# Altium PCB ESP32_led.PcbDoc
Units mil, origin at the board's own origin, x right, y up, seen from the top; angles counter-clockwise.
Board outline 4081.38 x 2419.64 mil, 2 copper layers (Top Layer, Bottom Layer); 62 components, 67 nets, 294 pads, 48 vias.
Unrouted connection lines stored in the file: 59.
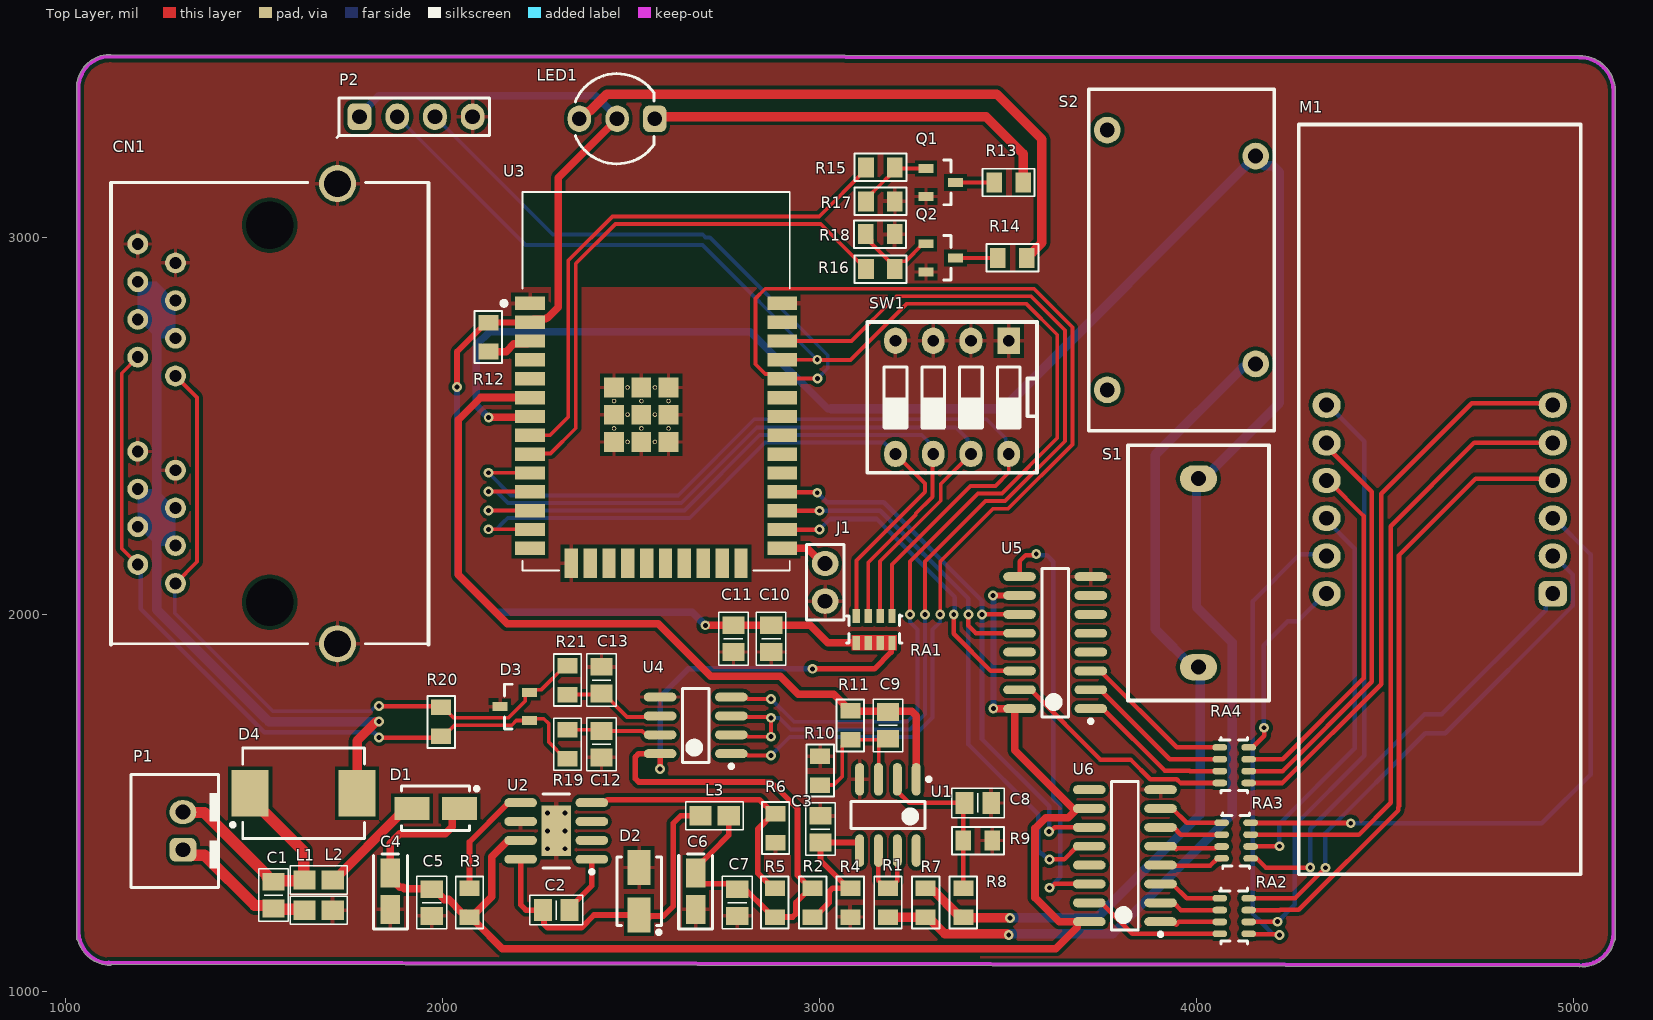
[diagram p0: Top Layer view]
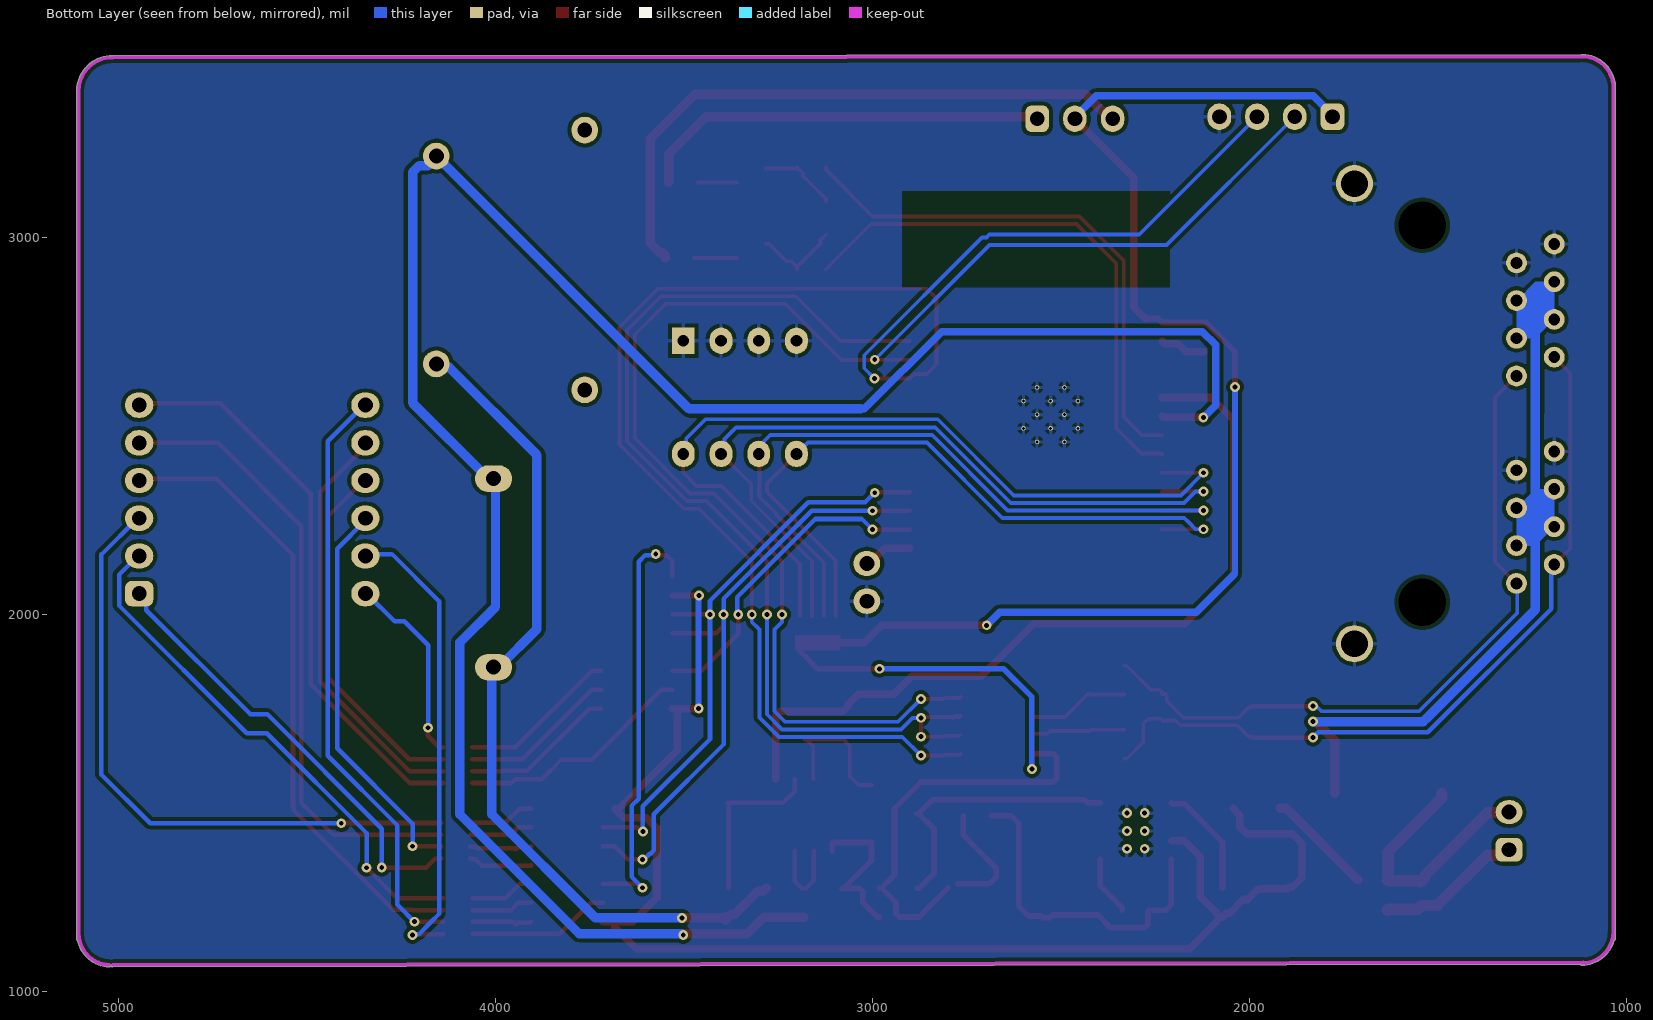
[diagram p1: Bottom Layer view, seen from below]

## Layer stack, top to bottom
Top Solder: solder mask 0.4, Solder Resist, Dk 3.5
Top Layer: signal copper 1.4
Dielectric 1: dielectric 12.6, FR-4, Dk 4.8
Bottom Layer: signal copper 1.4
Bottom Solder: solder mask 0.4, Solder Resist, Dk 3.5

## Board outline
1033.25,1135.16 cw(c1034.57,1140) 1029.56,1140 1029.56,3408.4 cw(c1034.57,3408.4) 1030.98,3411.9 cw(c1117.93,3396.42) 1115.59,3484.71 cw(c1115.72,3479.69) 1117.86,3484.23 cw(c1120,3479.7) 1120,3484.71 5015.89,3482.22 cw(c5015.89,3387.3) 5110.77,3389.82 cw(c5106.12,3389.69) 5110.77,3389.68 5110.94,1140.78 cw(c5105.93,1140.78) 5108.74,1136.63 cw(c5022.07,1153.58) 5024.41,1065.29 cw(c5024.28,1070.31) 5019.69,1068.29 cw(c5015.01,1070.09) 5015,1065.08 1122.6,1071.64 cw(c1118.58,1074.63) 1118.58,1069.61 cw(c1118.58,1157.93)

## Design rules (kind name [scope] priority, off if disabled: settings)
Clearance [All] p1: gap=10 ignorepadtopadclearanceinfootprint=FALSE except(0: Arc-Hole Track-Hole SMDPad-Hole THPad-Hole Via-Hole Fill-Hole Poly-Hole Region-Hole Text-Hole)
ComponentClearance [InComponent('H*') OR InComponent('S1')] p1: gap=0 collisioncheckmode=3 verticalgap=0 showdistances=FALSE
Height [All] p1: minheight=0 maxheight=1181.1 prefheight=500
PolygonConnect [All] p1: connectstyle=Relief reliefconductorwidth=10 reliefentries=4 polygonreliefangle="90 Angle" airgapwidth=10
RoutingVias [All] p1: holewidth=28 width=50 viastyle="Through Hole" minholewidth=28 minwidth=50 maxholewidth=28 maxwidth=50
SolderMaskExpansion [All] p1: expansion=4 istentingtop=FALSE
Width [All] p1: maxlimit=78.74 minlimit=7.87 preferedwidth=15.75 minimp=50.000000 maximp=50.000000 favimp=50.000000
28 further rules are at their usual default settings.

## Classes and differential pairs
component class 4_digit_7_seg: M1 RA2 RA3 RA4 U5 U6
component class ESP32: 33 C1 C2 C3 C4 C5 C6 C7 C8 C9 C10 C11 C12 C13 CN1 D1 D2 D3 D4 J1 L1 L2 L3 LED1 P1 P2 Q1 Q2 R1 R2 R3 R4 R5 R6 R7 R8 R9 R10 R11 R12 R13 R14 R15 R16 R17 R18 R19 R20 R21 RA1 S1 S2 SW1 U1 U2 U3 U4

## Components (designator, comment, footprint, x,y, rotation, side; value= is the part's Value field where it differs from the comment)
C1 "1uF" "C 0805" 1551.65,1255.61 r270 top
C2 "10nF" "C 0805" 2301.65,1215.61 r180 top
C3 "1uF" "C 0805" 3002.41,1430.55 r270 top
C4 "100uF/35V" "C SMD TAN 1206 (A)" 1861.65,1265.61 r270 top
C5 "0.1uF" "C 0805" 1971.65,1235.61 r270 top
C6 "220uF/16V" "C SMD TAN 1206 (A)" 2671.65,1265.61 r270 top
C7 "0.1uF" "C 0805" 2781.65,1235.61 r270 top
C8 "100pF" "C 0805" 3420,1500 r0 top
C9 "100pF" "C 0805" 3181.65,1705.61 r90 top
C10 "C" "C 0805" 2871.65,1935.61 r90 top
C11 "C" "C 0805" 2771.65,1935.61 r90 top
C12 "N/A" "C 0805" 2421.65,1655.61 r90 top
C13 "N/A" "C 0805" 2421.65,1825.61 r90 top
CN1 "RJ45 x2" CONN/RJ45/x2 1541.81,2532.33 r90 top
D1 "SS34" "DO-214AC (SMA)" 1981.65,1485.61 r0 top
D2 "SS34" "DO-214AC (SMA)" 2521.65,1265.61 r270 top
D3 "CDSOT23-SM712" SOT-23#1 2191.65,1755.61 r180 top
D4 "SS34" "DO-214AB (SMC)" 1631.65,1525.61 r180 top
J1 "JUMP 2" JUMP/2/Close 3015,2135 r270 top
L1 "FB" "Inductor SMD 0805 (2012)" 1671.65,1295.61 r0 top
L2 "FB" "Inductor SMD 0805 (2012)" 1671.65,1215.61 r0 top
L3 "15uH" "Inductor SMD 0805 (2012)" 2721.65,1465.61 r0 top
LED1 "Led 3pin 2color" "LED 3PIN 2COLOR 5MM" 2563.07,3314.6 r0 top
M1 "LED 7-SEG QUAD" LED/7SEG/0.56/QUAD 4645,2305 r90 top
P1 "Header 2" HDR/Header/2/BOX 1311.65,1425.61 r180 top
P2 "Header 4" HDR/Header/4 1930,3320 r0 top
Q1 "MMBT3904LT1G" SOT-23#2 3321.65,3145.61 r0 top
Q2 "MMBT3904LT1G" SOT-23#2 3321.65,2945.61 r0 top
R1 "0" "R 0805" 3181.65,1235.61 r90 top
R2 "1k" "R 0805" 2981.65,1235.61 r90 top
R3 "N/A" "R 0805" 2071.65,1235.61 r90 top
R4 "1k" "R 0805" 3081.65,1235.61 r90 top
R5 "10k" "R 0805" 2881.65,1235.61 r270 top
R6 "5.9k" "R 0805" 2883.39,1433.09 r90 top
R7 "100" "R 0805" 3281.65,1235.61 r270 top
R8 "1k" "R 0805" 3381.65,1235.61 r90 top
R9 "1k" "R 0805" 3420,1400 r0 top
R10 "1k" "R 0805" 3001.65,1585.61 r90 top
R11 "1k" "R 0805" 3081.65,1705.61 r270 top
R12 "R" "R 0805" 2121.65,2735.61 r270 top
R13 "20R" "R 0805" 3501.65,3145.61 r0 top
R14 "24R" "R 0805" 3511.65,2945.61 r0 top
R15 "4.7k" "R 0805" 3161.65,3185.61 r180 top
R16 "4.7k" "R 0805" 3161.65,2915.61 r0 top
R17 "47k" "R 0805" 3161.65,3095.61 r0 top
R18 "47k" "R 0805" 3160.88,3008.35 r0 top
R19 "10" "R 0805" 2331.65,1655.61 r90 top
R20 "120" "R 0805" 1996.35,1714.82 r270 top
R21 "10" "R 0805" 2331.65,1825.61 r270 top
RA1 "10k" "RAx4 1206 (3216)" 3145,1960 r270 top
RA2 "480R" "RA4 1206 (3216)" 4100,1200 r0 top
RA3 "480R" "RA4 1206 (3216)" 4105,1400 r0 top
RA4 "480R" "RA4 1206 (3216)" 4100,1600 r0 top
S1 "TA12" TA12 4005,2110 r90 top
S2 "TA17" TA17 3960,2940 r90 top
SW1 "SW DIP-4" SW/DIP4 3501.65,2725.61 r180 top
U1 "LM358" SOIC-8 3181.37,1468.07 r270 top
U2 "TPS54xx" "SOIC-8 EP" 2301.65,1425.61 r180 top
U3 "ESP32-WROOM-32" MODULE_ESP32-WROOM-32 2566.65,2617.89 r0 top
U4 "MAX485" SOIC-8 2671.65,1705.61 r180 top
U5 "74HC595" SOIC-16 3625,1925 r180 top
U6 "74HC595" SOIC-16 3810,1360 r180 top

## Footprints (in the part's own frame and the unit in brackets; to place one, negate y for a bottom-side part, rotate by r counter-clockwise, add the part's x,y. Pads: shape width x height; smd on the part's side, far side on the other; paste and mask are expansions set on the pad)
"C 0805" [mm] "Chip Capacitor, 2-Leads, Body 2.0x1.3mm, IPC Medium Density"
  rect 1.2x1.5 smd: 1(-0.9,0) 2(0.9,0)
  silkscreen extent -1.78,-1 1.78,1, body extent -1,-0.64 1,0.61, height 0.6
"C SMD TAN 1206 (A)" [mm] "Molded Capacitor, 2-Leads, Body 3.2x1.6mm, IPC Medium Density"
  rect 1.95x1.3 smd: 1(-1.225,0) 2(1.225,0)
  silkscreen extent -2.5,-1.14 2.54,1.14, body extent -2.4,-0.9 2.4,0.9, height 1.8
CONN/RJ45/x2 [mm]
  round 1.4 hole 0.8: 1(-11.43,6.35) 2(-10.16,8.89) 3(-8.89,6.35) 4(-7.62,8.89) 5(-6.35,6.35) 6(-5.08,8.89) 7(-3.81,6.35) 8(-2.54,8.89) 11(2.54,6.35) 12(3.81,8.89) 13(5.08,6.35) 14(6.35,8.89) 15(7.62,6.35) 16(8.89,8.89) 17(10.16,6.35) 18(11.43,8.89)
  round 2.5 hole 1.8: 9(-15.5,-4.57) 10(15.5,-4.57)
  round 0 hole 3.2 unplated: HOLE(-12.7,0) HOLE(12.7,0)
  silkscreen extent -15.56,-10.7 15.56,10.7, body extent -15.5,-10.7 15.56,10.7, height 13.46
"DO-214AB (SMC)" [mm] "Molded Diode, 2-Leads, Body 7.9x5.8mm, IPC Low Density"
  rect 2.5x3.15 smd: 1(-3.6,0) 2(3.6,0)
  silkscreen extent -4.1,-3.05 4.9,3.05, body extent -3.98,-2.98 3.98,2.92, height 2.27
"DO-214AC (SMA)" [mm] "Molded Diode, 2-Leads, Body 4.3x2.7mm, IPC Medium Density"
  rect 2.35x1.55 smd: 1(-1.6,0) 2(1.6,0)
  silkscreen extent -2.3,-1.5 2.89,1.5, body extent -2.6,-1.3 2.6,1.3, height 2.4
HDR/Header/2/BOX [mm]
  rrect50% 1.8x1.6 hole 1: 1(0,1.27)
  oval 1.8x1.6 hole 1: 2(0,-1.27)
  silkscreen extent -2.41,-3.81 3.5,3.81, body extent -2.3,-3.79 3.4,3.71, height 7
HDR/Header/4 [mm]
  rrect50% 1.6x1.8 hole 1: 1(-3.81,0)
  oval 1.6x1.8 hole 1: 2(-1.27,0) 3(1.27,0) 4(3.81,0)
  silkscreen extent -5.33,-1.4 4.95,1.27, body extent -5.08,-1.27 5.08,1.27, height 8.89
"Inductor SMD 0805 (2012)" [mm] "Precision Wire Wound Inductor, 2-Leads, Body 2.0x1.2mm, IPC Medium Density"
  rect 1.5x1.3 smd: 1(-0.95,0) 2(0.95,0)
  silkscreen extent -1.92,-0.95 1.92,0.95, body extent -1,-0.6 1,0.6, height 0.95
JUMP/2/Close [mm]
  oval 1.7x1.8 hole 1: 1(0,0) 2(2.54,0)
  silkscreen extent -1.27,-1.27 3.81,1.27, body extent -1.27,-1.27 3.81,1.27, height 8.89
"LED 3PIN 2COLOR 5MM" [mil]
  rrect50% 62x70 hole 39: 1(0,0)
  oval 62x70 hole 39: 2(-100,0) 3(-200,0)
  silkscreen extent -211,-120 -2,120, body extent -218,-118 -2,118, height 335
LED/7SEG/0.56/QUAD [mm]
  rrect50% 1.7x1.9 hole 1: 1(-6.35,-7.62)
  oval 1.7x1.9 hole 1: 2(-3.81,-7.62) 3(-1.27,-7.62) 4(1.27,-7.62) 5(3.81,-7.62) 6(6.35,-7.62) 7(6.35,7.62) 8(3.81,7.62) 9(1.27,7.62) 10(-1.27,7.62) 11(-3.81,7.62) 12(-6.35,7.62)
  silkscreen extent -25.25,-9.5 25.25,9.5, body extent -25.2,-9.5 25.2,9.5, height 8
MODULE_ESP32-WROOM-32 [mm]
  rect 2x0.9 smd: 1(-8.5,5.26) 2(-8.5,3.99) 3(-8.5,2.72) 4(-8.5,1.45) 5(-8.5,0.18) 6(-8.5,-1.09) 7(-8.5,-2.36) 8(-8.5,-3.63) 9(-8.5,-4.9) 10(-8.5,-6.17) 11(-8.5,-7.44) 12(-8.5,-8.71) 13(-8.5,-9.98) 14(-8.5,-11.25) 25(8.5,-11.25) 26(8.5,-9.98) 27(8.5,-8.71) 28(8.5,-7.44) 29(8.5,-6.17) 30(8.5,-4.9) 31(8.5,-3.63) 32(8.5,-2.36) 33(8.5,-1.09) 34(8.5,0.18) 35(8.5,1.45) 36(8.5,2.72) 37(8.5,3.99) 38(8.5,5.26)
  rect 0.9x2 smd: 15(-5.715,-12.25) 16(-4.445,-12.25) 17(-3.175,-12.25) 18(-1.905,-12.25) 19(-0.635,-12.25) 20(0.635,-12.25) 21(1.905,-12.25) 22(3.175,-12.25) 23(4.445,-12.25) 24(5.715,-12.25)
  rect 1.33x1.33 smd: 39(-2.835,-4.075) 39(-2.835,-2.24) 39(-2.835,-0.405) 39(-1,-4.075) 39(-1,-2.24) 39(-1,-0.405) 39(0.835,-4.075) 39(0.835,-2.24) 39(0.835,-0.405)
  round 0.3 hole 0.2: 39(-2.835,-3.157) 39(-2.835,-1.322) 39(-1.917,-4.075) 39(-1.917,-2.24) 39(-1.917,-0.405) 39(-1,-3.157) 39(-1,-1.322) 39(-0.082,-4.075) 39(-0.082,-2.24) 39(-0.082,-0.405) 39(0.835,-3.157) 39(0.835,-1.322)
  Top Layer pour cut-out: -9.017,12.827 -9.017,6.35 9.017,6.35 9.017,12.827
  Bottom Layer pour cut-out: -9.017,12.827 -9.017,6.35 9.017,6.35 9.017,12.827
  silkscreen extent -10.4,-12.75 9,12.75, body extent -9,-12.75 9,12.75, height 2.91
"R 0805" [mm] "Chip Resistor, 2-Leads, Body 2.0x1.3mm, IPC Medium Density"
  rect 1.05x1.35 smd: 1(-0.975,0) 2(0.975,0)
  silkscreen extent -1.75,-0.92 1.75,0.92, body extent -1,-0.61 1,0.59, height 0.5
"RA4 1206 (3216)" [mm] "Resistor Array x4 1206 (4D03)"
  oval 1x0.45 smd: 1(-0.975,1.2) 2(-0.975,0.4) 3(-0.975,-0.4) 4(-0.975,-1.2) 5(0.975,-1.2) 6(0.975,-0.4) 7(0.975,0.4) 8(0.975,1.2)
  silkscreen extent -0.99,-1.88 0.9,1.88, body extent -0.8,-1.6 0.8,1.6, height 0.5
"RAx4 1206 (3216)" [mm] "Resistor Array x4 1206 (4D03)"
  rrect10% 0.95x0.5 smd: 1(-0.9,1.2) 2(-0.9,0.4) 3(-0.9,-0.4) 4(-0.9,-1.2) 5(0.9,-1.2) 6(0.9,-0.4) 7(0.9,0.4) 8(0.9,1.2)
  silkscreen extent -0.99,-1.88 0.9,1.88, body extent -0.8,-1.6 0.8,1.6, height 0.5
SOIC-8 [mm] "SOIC, 8-Leads, Body 5.0x4.0mm (max), Pitch 1.27mm, IPC Medium Density"
  oval 2.2x0.6 smd: 1(-2.4,1.905) 2(-2.4,0.635) 3(-2.4,-0.635) 4(-2.4,-1.905) 5(2.4,-1.905) 6(2.4,-0.635) 7(2.4,0.635) 8(2.4,1.905)
  silkscreen extent -2.52,-2.5 0.9,2.88, body extent -3,-2.49 3,2.41, height 1.75
"SOIC-8 EP" [mm] "SOIC, 8-Leads, Body 5.0x4.0mm (max), Pitch 1.27mm, IPC Medium Density"
  oval 2.2x0.6 smd: 1(-2.4,1.905) 2(-2.4,0.635) 3(-2.4,-0.635) 4(-2.4,-1.905) 5(2.4,-1.905) 6(2.4,-0.635) 7(2.4,0.635) 8(2.4,1.905)
  rect 2x3.4 smd: 9(0,0)
  silkscreen extent -2.53,-2.5 0.9,2.88, body extent -3,-2.49 3,2.41, height 1.75
SOIC-16 [mm] "SOIC, 16-Leads, Body 10.0x4.0mm (max), Pitch 1.27mm, IPC Medium Density"
  oval 2.2x0.6 smd: 1(-2.4,4.445) 2(-2.4,3.175) 3(-2.4,1.905) 4(-2.4,0.635) 5(-2.4,-0.635) 6(-2.4,-1.905) 7(-2.4,-3.175) 8(-2.4,-4.445) 9(2.4,-4.445) 10(2.4,-3.175) 11(2.4,-1.905) 12(2.4,-0.635) 13(2.4,0.635) 14(2.4,1.905) 15(2.4,3.175) 16(2.4,4.445)
  silkscreen extent -2.53,-5 0.9,5.42, body extent -3,-4.95 3,4.95, height 1.4
SOT-23#1 [mm] "SOT23, 3-Leads, Body 3.0x2.5mm (max), Pitch 0.95mm, IPC Medium Density"
  rect 1x0.6 smd: 1(-1,-0.95) 2(-1,0.95) 3(1,0)
  silkscreen extent 0.2,-1.5 0.7,1.5, body extent -1.28,-1.46 1.27,1.46, height 0.95
SOT-23#2 [mm] "SOT23, 3-Leads, Body 3.0x2.5mm (max), Pitch 0.95mm, IPC Medium Density"
  rect 1x0.6 smd: 1(-1,0.95) 2(-1,-0.95) 3(1,0)
  silkscreen extent 0.2,-1.5 0.7,1.5, body extent -1.28,-1.46 1.27,1.46, height 0.95
SW/DIP4 [mil]
  rect 60x70 hole 31: 1(0,0)
  oval 60x70 hole 31: 2(100,0) 3(200,0) 4(300,0) 5(300,300) 6(200,300) 7(100,300) 8(0,300)
  silkscreen extent -75,-50 375,350, body extent -50,0 350,300, height 165
TA12 [mm]
  oval 1.8x2.5 hole 1: 1(-6.35,0) 2(6.35,0)
  silkscreen extent -8.6,-4.75 8.6,4.75, body extent -8.6,-4.75 8.6,4.75, height 20.4
TA17 [mm]
  round 1.8 hole 1: 1(-7,-5) 2(7,-5) 3(8.75,5) 4(-8.75,5)
  silkscreen extent -11.5,-6.25 11.5,6.25, body extent -11.5,-6.25 11.5,6.25, height 26

## Part data
C1 C2 C3 C5 C7 C8 C9 C10 C11 C12 C13: library part "Capacitor NP", "Capacitor non-pol"
C4 C6: library part Capacitor, "Capacitor pol"
CN1: library part "CON RJ45 x2", "Connector RJ45 X2"
D1 D2 D4: library part "Diode Schottky", "Schottky Diode"
D3: "TVS DIODE 7V/12V 14V/26V SOT23-3"
L1 L2 L3: library part Inductor, "Inductor"
LED1: "Typical LED 3-pin 2-color"
M1: "LED 7-SEG 0.56 QUAD RED"
P1: "Header, 2-Pin"
P2: "Header, 4-Pin"
Q1 Q2: library part "Transistor NPN", "NPN Bipolar Transistor"
R1 R2 R3 R4 R5 R6 R7 R8 R9 R10 R11 R12 R13 R14 R15 R16 R17 R18 R19 R20 R21: library part Resistor, "Resistor"
RA1: library part "Resistor Array x4"
RA2 RA3 RA4: library part "Resistor Array 4", "Resistor Array 4"
U1: "Low Power Dual Operational Amplifiers"
U2: "3/5A, Wide input range, Step-down SWIFT DC-DC Converter"
U3: "Bluetooth, WiFi 802.11b/g/n, Bluetooth v4.2 + EDR, Class 1, 2 and 3 Transceiver Module 2.4GHz ~ 2.5GHz Integrated, Trace Surface Mount", PACKAGE="Module Espressif Systems", Availability=Unavailable, MF="Espressif Systems", MP=ESP32-WROOM-32D, Price=None, SnapEDA_Link=https://www.snapeda.com/parts/ESP32-WROOM-32D/Espressif%20Systems/view-part/2768115/?ref=snap
U4: "Low-Power, Slew-Rate-Limited  RS-485/RS-422 Transceivers"
U5 U6: "8-bit serial-in, serial or parallel-out  shift register with output latches;  3-state"

## Via types
v1: diameter 25.98, hole 12.99, Top Layer to Bottom Layer, tented top, 44 vias
v2: diameter 25.98/25.98 (per signal layer), hole 12.99, Top Layer to Bottom Layer, tented top, 4 vias

## Nets (pads, with @x,y where several pads share a name; then routed paths per layer and width w, separated by ;. In a path a pad name is that pad's centre, name@x,y a point inside that pad or via, vN(x,y) a via of type N, cw(c..) or ccw(c..) an arc to the next point about the centre after c; other vN are vias at no path point)
3V3: C6.1 C7.1 C10.2 C11.2 L3.2 LED1.2 P2.1 R2.2 R5.2 R12.1 RA1.5 RA1.6 RA1.7 RA1.8 U3.2 U4.8 | length 5639.4
  Top Layer w15: v1(2577.16,1590.1) U4.8 2520.43,1630.61 2511.65,1621.82 2511.65,1564.4 2520.43,1555.61 2871.25,1555.61 2941.65,1485.22 2941.65,1308.09 R2.2@2975.74,1274 ; L3.2 2759.05,1414.03 2714.39,1369.38 2671.65,1326.63 C6.1 2671.65,1303.7 2689.74,1285.61 C7.1@2772.98,1285.61 ; C7.1@2800.11,1274.07 2862.57,1211.61 2862.57,1210.39 2875.74,1197.22 R5.2 2928.78,1197.22 2937.57,1206.01 2937.57,1235.83 R2.2@2975.74,1274 ; R2.2 R2.2@2975.74,1274 ; v1(2981.65,1855.61) 3145.61,1855.61 3190,1900 3190,1922.32 RA1.8
  Top Layer w15.75: v2(2038.62,2603.13) 2038.62,2696.87 2115.74,2773.99 R12.1 2122.14,2774.49 2231.51,2774.49 U3.2 2241.84,2784.82 2274.21,2784.82
  Top Layer w20: 2274.21,2784.82 2276.65,2787.26 2279.65,2787.26 2307.13,2814.74 2307.13,3158.66 LED1.2 ; v1(2697.08,1971.04) C11.2 2975.46,1971.04 3021.93,1924.57 RA1.5
  Bottom Layer w15: v1(2577.16,1590.1) 2577.16,1781.12 2651.65,1855.61 v1(2981.65,1855.61)
  Bottom Layer w15.75: v2(2038.62,2603.13) 2038.62,2108.64 2041.65,2105.61
  Bottom Layer w20: P2.1 1780,3323.94 1831.5,3375.43 2406.23,3375.43 LED1.2@2461.65,3320.02 ; 2041.65,2105.61 2141.65,2005.61 2662.51,2005.61 v1(2697.08,1971.04)
"ADC1 _CH6": C9.2 R11.1 U1.1 U3.6 | length 2166.9
  Top Layer w20: U3.6 2231.69,2575.29 2101.33,2575.29 2041.65,2515.61 2041.65,2105.61 2171.65,1975.61 2571.65,1975.61 2711.65,1835.61 2896.29,1835.61 2943.77,1788.13 3037.52,1788.13 3065.07,1760.57 3065.07,1754.66 3075.74,1743.99 R11.1 3083.12,1742.52 3181.65,1742.52 3244.66,1742.52 3256.37,1730.8 U1.1
"ADC1 _CH7": R1.1 R7.2 S1.2 S2.2 U3.7 | length 5749.8
  Top Layer w20: v2(2122.53,2521.97) 2123.67,2523.11 2230.14,2523.11 U3.7
  Top Layer w25: R1.1 R7.2 3287.55,1197.22 3331.93,1152.84 3498.38,1152.84 3501.73,1149.5 v2(3501.99,1149.5)
  Bottom Layer w20: v2(2122.53,2521.97) 2090,2554.5 2090,2715 2125,2750 2816.54,2750 3021.41,2545.13 3031.54,2545.13
  Bottom Layer w25: 3031.54,2545.13 3486.39,2545.13 S2.2 4156.85,3213 4179.52,3190.34 4202.11,3190.34 4219.78,3172.66 4219.78,2561 4018.78,2360 S1.2 4000,2355 4000,2020 4094.64,1925.36 4094.64,1469.64 3777.84,1152.84 3505.6,1152.84 3502.45,1149.69 v2@3502.18,1149.69
ADC_IN: R7.1 R8.1 S1.1 S2.1 | length 2267.9
  Top Layer w25: R7.1 3289.82,1265.83 3304.17,1265.83 3364.61,1205.39 3373.48,1205.39 R8.1@3389.82,1189.05 ; R8.1 3384.42,1200 3389.23,1195.19 3504.81,1195.19 v2(3505,1195)
  Bottom Layer w25: v2(3505,1195) 3735,1195 4010,1470 4010,1855 S1.1 S1.1@3994.04,1849.04 ; S1.1@3991.22,1860 3890,1961.22 3890,2422.56 4123.07,2655.63 4148.07,2655.63 S2.1
DIO: U3.26 U5.14 | length 869.4
  Top Layer w12: U3.26 v1(3000,2225) ; v1(3355.98,2000) 3355.98,1948.22 3454.2,1850 U5.14
  Bottom Layer w12: v1(3000,2225) 3028,2253 3151.96,2253 3359.17,2045.79 3359.17,2014.17 3358.66,2013.66 3358.66,2002.68 v1(3355.98,2000)
GND: C3.1 C4.2 C5.2 C6.2 C7.2 C8.2 C10.1 C11.1 C12.1 C13.2 CN1.7 CN1.8 CN1.9 CN1.10 CN1.17 CN1.18 D2.1 D3.3 J1.2 L2.2 P2.4 Q1.2 Q2.2 R4.1 R6.1 R9.2 R10.2 R17.2 R18.2 SW1.1 SW1.2 SW1.3 SW1.4 U1.4 U2.6 U2.9 U3.1 U3.15 U3.38 U3.39 U4.5 U5.8 U6.8
  other v1: 2278.02,1378.37 2325.27,1378.37 2278.02,1425.61 2325.27,1425.61 2278.02,1472.85 2325.27,1472.85
LED0: R15.2 U3.8 | length 1432.1
  Top Layer w10: U3.8 2284.98,2474.98 2333.39,2523.39 2333.39,2923.39 2333.67,2923.67 2333.67,2938.6 2450.69,3055.61 2999.17,3055.61 3123.26,3179.7 R15.2
LED1: R16.1 U3.9 | length 1449.7
  Top Layer w10: U3.9 2233.75,2426.73 2286.73,2426.73 2353.67,2493.67 2353.67,2930.31 2458.97,3035.61 3003.26,3035.61 R16.1
NetC2_1: C2.1 U2.1 | length 159.5
  Top Layer w15: C2.1 2337.08,1221.51 2396.13,1280.57 U2.1
NetC2_2: C2.2 D2.2 L3.1 U2.8 | length 901
  Top Layer w15: U2.8 2207.16,1230.1 2221.65,1215.61 C2.2 2269.12,1212.7 2269.12,1178.13 2278.67,1168.58 2367.95,1168.58 2401.99,1202.62 D2.2 2528.65,1195.61 2548.65,1195.61 2552.88,1199.83 2585.87,1199.83 2611.65,1225.61 2611.65,1445.61 2631.65,1465.61 L3.1
NetC3_2: C3.2 R2.1 R4.2 U1.5 | length 431.7
  Top Layer w15: R2.1 2987.55,1197.22 3025.72,1235.39 3025.72,1265.21 3034.51,1274 R4.2 3075.74,1274 3062.57,1287.16 3002.41,1347.32 C3.2 3105.52,1395.12 3106.37,1394.26 U1.5
NetC8_1: C8.1 R8.2 R9.1 U1.2 | length 443.9
  Top Layer w12: U1.2 3206.37,1531.06 3237.43,1500 C8.1 ; R8.2 R9.1 C8.1@3381.65,1495.37
NetC9_1: C9.1 R10.1 R11.2 U1.3 | length 430.7
  Top Layer w10: R10.1 3037.36,1547.22 3060.07,1569.93 3060.07,1651.55 3075.74,1667.22 C9.1@3178.69,1667.22 ; U1.3 3157.12,1563.3 C9.1@3157.12,1651.55 ; C9.1@3157.12,1651.55 C9.1@3159.5,1651.55 ; C9.1@3157.12,1651.55 C9.1@3159.5,1651.55 ; C9.1@3157.12,1651.55 3175.74,1670.18 C9.1 3178.12,1670.18 C9.1@3159.5,1651.55
NetC12_2: C12.2 R19.2 U4.7 | length 249.8
  Top Layer w10: R19.2 C12.2@2421.65,1694 ; C12.2 2528.96,1691.04 2536.78,1683.22 2574.55,1683.22 U4.7
NetC13_1: C13.1 R21.2 U4.6 | length 271.6
  Top Layer w10: R21.2 C13.1@2421.65,1787.22 ; C13.1@2422.14,1789.68 2428.04,1789.68 2489.72,1728 2574.55,1728 U4.6
NetD1_1: D1.1 L1.2 | length 284.4
  Top Layer w25: L1.2@1712.98,1295.61 1884.89,1467.52 1884.89,1467.6 1902.91,1485.61 D1.1
NetJ1_1: J1.1 U3.25 | length 130.3
  Top Layer w20: U3.25 2967.35,2174.98 3007.33,2135 J1.1
NetLED1_1: LED1.1 R13.2 | length 1097
  Top Layer w25: LED1.1@2561.65,3315.55 2566.1,3320 3441.59,3320 3540.03,3221.56 R13.2
NetLED1_3: LED1.3 R14.2 | length 1642.6
  Top Layer w25: LED1.3@2361.65,3307.16 2390.74,3336.25 2392.29,3336.25 2436.04,3380 3470,3380 3590,3260 3590,3028.63 ; R14.2 3550.03,2951.51 3558.2,2959.68 3564.11,2959.68 3589.99,2985.57 3589.99,3028.62
NetM1_1: M1.1 RA3.5 | length 1187.6
  Top Layer w12: RA3.5 4144.48,1351.66 4160.37,1351.66 4183.53,1328.5 v1(4301.5,1328.5)
  Bottom Layer w12: v1(4301.5,1328.5) 4301.5,1431.5 4604.8,1734.8 4649.8,1734.8 4926.24,2011.24 4926.24,2036.24 M1.1
NetM1_2: M1.2 RA2.8 | length 1391.5
  Top Layer w12: RA2.8 4261.24,1247.24 v1(4342,1328)
  Bottom Layer w12: v1(4342,1328) 4342,1420.11 4606.89,1685 4660,1685 4998.4,2023.4 4998.4,2105.54 4948.94,2155 M1.2
NetM1_3: M1.3 RA3.8 | length 1679.2
  Top Layer w12: RA3.8 4143.98,1446.65 4408.35,1446.65 v1(4408.94,1446.06)
  Bottom Layer w12: v1(4408.94,1446.06) 4916.06,1446.06 5045,1575 5045,2158.94 4948.94,2255 M1.3
NetM1_4: M1.4 RA2.7 | length 1678.1
  Top Layer w12: RA2.7 4220.75,1215.75 4221.51,1216.51 4271.51,1216.51 4535,1480 4535,1488.89 4537,1490.89 4537,2157 4740,2360 4940,2360 M1.4
NetM1_5: M1.5 RA3.7 | length 1662
  Top Layer w12: RA3.7 4430.75,1415.75 4515,1500 4515,2233.89 4736.11,2455 M1.5
NetM1_6: M1.6 RA4.5 | length 1521.7
  Top Layer w12: RA4.5 4227.76,1552.76 4490,1815 4490,2320 4730,2560 4940,2560 M1.6
NetM1_7: M1.7 RA2.6 | length 1585.9
  Top Layer w12: RA2.6 4138.76,1184.63 4214.63,1184.63 v1(4215,1185)
  Bottom Layer w12: v1(4215,1185) 4260,1230 4260,1440 4445,1625 4445,2458.94 4348.94,2555 M1.7
NetM1_8: M1.8 RA4.6 | length 1108.3
  Top Layer w12: RA4.6 4228.14,1584.25 4465,1821.11 4465,2325 4345,2445 M1.8
NetM1_9: M1.9 RA4.7 | length 961.1
  Top Layer w12: RA4.7 4228.52,1615.75 4443,1830.23 4443,2260.94 4348.94,2355 M1.9
NetM1_10: M1.10 RA3.6 | length 1060.8
  Top Layer w12: RA3.6 4143.76,1384.63 4219.63,1384.63 v1(4220,1385)
  Bottom Layer w12: v1(4220,1385) 4220,1445 4420,1645 4420,2173.94 4345,2248.94 M1.10
NetM1_11: M1.11 RA2.5 | length 1255.7
  Top Layer w12: RA2.5 4139.48,1151.66 4217.8,1151.66 v1(4220.09,1149.38)
  Bottom Layer w12: v1(4220.09,1149.38) 4217.41,1152.05 4202.95,1152.05 4171.74,1183.26 4149.59,1205.41 4149.59,2035 4274.6,2160 4340,2160 M1.11
NetM1_12: M1.12 RA4.8 | length 518.4
  Top Layer w12: RA4.8 4149.21,1647.24 4180,1678.03 4180,1698.03 v1(4178.59,1699.45)
  Bottom Layer w12: v1(4178.59,1699.45) 4178.59,1918.59 4241.54,1981.54 4267.6,1981.54 4341.06,2055 M1.12
NetQ1_1: Q1.1 R15.1 R17.1 | length 205.6
  Top Layer w10: R17.1 3123.26,3101.51 3167.74,3145.99 3177.72,3155.98 3178.5,3155.98 3184.36,3161.83 3184.36,3169.94 R15.1 3202.63,3183.01 Q1.1
NetQ1_3: Q1.3 R13.1 | length 102.2
  Top Layer w10: Q1.3 R13.1
NetQ2_1: Q2.1 R16.2 R18.1 | length 232.6
  Top Layer w10: R18.1 3138.16,2992.68 3138.16,2983.39 R16.2@3200.03,2921.51 ; R16.2 R16.2@3200.03,2921.51 ; Q2.1 3274.4,2983.01 3227.74,2936.35 3214.87,2936.35 R16.2@3200.03,2921.51
NetQ2_3: Q2.3 R14.1 | length 112.2
  Top Layer w10: Q2.3 R14.1
NetR1_2: R1.2 U1.6 U1.7 | length 226.8
  Top Layer w12: U1.6 3156.37,1293.36 3175.74,1274 3187.55,1274 3206.37,1292.82 U1.7
NetR3_2: R3.2 U2.5 | length 301.2
  Top Layer w15: R3.2 2071.65,1396.59 2172.85,1497.79 2204.34,1497.79 U2.5
NetR5_1: R5.1 R6.2 U2.4 | length 743
  Top Layer w15: U2.4 2429.96,1500.61 2438.05,1508.7 2840.26,1508.7 R6.2@2877.49,1471.47 ; R5.1 2875.74,1273.99 2862.57,1287.16 2836.09,1313.64 2836.09,1430.08 R6.2@2877.49,1471.47 ; R6.2 R6.2@2877.49,1471.47
NetR12_2: R12.2 U3.3 | length 121.9
  Top Layer w20: R12.2 2168.87,2697.22 2188.91,2717.26 2224.28,2717.26 U3.3
NetRA2_1: RA2.1 U6.3 | length 172.8
  Top Layer w12: U6.3 3935.98,1285 3973.74,1247.24 RA2.1
NetRA2_2: RA2.2 U6.2 | length 165.1
  Top Layer w12: U6.2 3939.13,1235 3958.38,1215.75 RA2.2
NetRA2_3: RA2.3 U6.1 | length 163.3
  Top Layer w12: U6.1 3907.14,1182.35 3940.92,1182.35 3946.05,1177.22 3953.08,1184.25 RA2.3
NetRA2_4: RA2.4 U6.15 | length 380.2
  Top Layer w12: U6.15 3747.01,1235 3829.25,1152.76 RA2.4
NetRA3_1: RA3.1 U6.7 | length 177.8
  Top Layer w12: U6.7 3935.98,1485 3973.74,1447.24 RA3.1
NetRA3_2: RA3.2 U6.6 | length 170.1
  Top Layer w12: U6.6 3939.13,1435 3958.38,1415.75 RA3.2
NetRA3_3: RA3.3 U6.5 | length 168.3
  Top Layer w12: U6.5 3907.14,1382.35 3940.92,1382.35 3946.05,1377.22 3948.82,1380 4049.99,1380 4054.24,1384.25 RA3.3
NetRA3_4: RA3.4 U6.4 | length 170.5
  Top Layer w12: U6.4 3905.72,1333.76 4036.8,1333.76 4053.92,1350.89 4064.75,1350.89 RA3.4
NetRA4_1: RA4.1 U5.3 | length 426.1
  Top Layer w12: U5.3 3745,1850 3947.76,1647.24 RA4.1
NetRA4_2: RA4.2 U5.2 | length 418.4
  Top Layer w12: U5.2 3745,1800 3929.25,1615.75 RA4.2
NetRA4_3: RA4.3 U5.1 | length 410.8
  Top Layer w12: U5.1 3750.98,1750 3916.17,1584.81 3981.88,1584.81 3982.44,1584.25 RA4.3
NetRA4_4: RA4.4 U5.15 | length 633.5
  Top Layer w12: U5.15 3560,1800 3745,1615 3825,1615 3877.19,1562.81 3947.5,1562.81 3957.56,1552.76 RA4.4
NetU5_9: U5.9 U6.14 | length 1140.9
  Top Layer w12: U5.9 3530.51,2140.51 3547.32,2157.32 3572.32,2157.32 v1(3575,2160) ; v1(3610,1275) 3613.78,1275 3623.78,1285 U6.14
  Bottom Layer w12: v1(3575,2160) 3577.68,2157.32 3602.68,2157.32 3620,2140 3620,1511.11 3638.99,1492.12 3638.99,1303.99 v1(3610,1275)
PGND: C1.2 L2.1 P1.1 | length 388.9
  Top Layer w30: P1.1 1325.95,1361.31 1368.69,1361.31 1502.34,1227.66 1544.16,1227.66 1553.93,1217.89 1631.96,1217.89 L2.1
RCLK: U3.27 U5.12 U6.12 | length 1668.2
  Top Layer w12: U3.27 v1(3000,2275) ; v1(3395,2000) 3395,1970 3415,1950 U5.12 ; v1(3610,1350) 3649.02,1350 3684.02,1385 U6.12
  Bottom Layer w12: v1(3000,2275) 3161.07,2275 3395,2041.07 v1(3395,2000) 3395,1655 3580,1470 3580,1373.78 3588.49,1365.3 3590.92,1365.3 3606.22,1350 v1(3610,1350)
RS485_5V: CN1.3 CN1.4 CN1.5 CN1.6 CN1.13 CN1.14 CN1.15 CN1.16 D4.1 | length 1707.9
  Top Layer w25: D4.1 1773.38,1664.92 1823.88,1715.42 v1@1831.19,1715.42
  Bottom Layer w25: 1241.75,2789.5 1241.75,2711.59 1241.87,2711.48 1241.87,2653.18 1241.75,2653.06 1241.75,2532.39 1241.87,2532.27 1241.87,2403.18 1241.75,2403.06 1241.75,2161.59 1241.87,2161.48 1241.87,2103.18 1241.75,2103.06 1241.75,2012.97 1526.61,1728.11 1539.11,1715.61 v1(1831.65,1715.61)
RS485_A: CN1.1 CN1.11 D3.1 R20.1 R21.1 | length 1910.4
  Top Layer w10: CN1.1 1348.91,2139.43 1348.91,2575.23 CN1.11 ; R20.1 2002.26,1753.2 2029.53,1725.93 2175.31,1725.93 2219.67,1770.29 2219.67,1786.2 2222.26,1788.79 D3.1@2232,1788.79 ; D3.1 2237.83,1799.82 2261.57,1799.82 2325.74,1863.99 R21.1
  Top Layer w12: v1(1831.88,1756.63) 1992.93,1756.63 R20.1
  Bottom Layer w10: CN1.1 1290,2080.52 1290,2003.61 1538,1755.61 1550.5,1743.11 1809.23,1743.11 1819.69,1753.57 1828.82,1753.57 v1(1831.88,1756.63)
RS485_B: CN1.2 CN1.12 D3.2 R19.1 R20.2 | length 2073.8
  Top Layer w10: CN1.2 1149.25,2174.89 1149.25,2639.77 CN1.12 ; R20.2 2002.26,1676.43 2031.75,1705.93 2183.59,1705.93 2195.87,1718.21 D3.2 ; D3.2@2229.5,1716.69 2236.07,1723.26 2268.78,1723.26 2281.65,1710.4 2281.65,1661.32 2325.74,1617.22 R19.1
  Top Layer w12: v1(1831.97,1673.32) 1993.24,1673.32 R20.2
  Bottom Layer w12: CN1.2 1200.06,2124.08 1200.06,2014.35 1527.31,1687.11 1817.95,1687.11 v1@1831.03,1674.03
RS485_EN: U3.36 U4.2 U4.3 | length 2764.5
  Top Layer w10: U4.2 2768.74,1678 2807.91,1678 2810.3,1675.61 v1(2871.65,1675.61) v1(2871.65,1725.61) 2869.15,1728.11 U4.3@2783.2,1728.11 ; U4.3@2786.99,1724.32 U4.3@2783.2,1728.11 ; U3.36 3084.98,2724.98 3203.62,2843.62 3560.58,2843.62 3650.81,2753.4 3650.81,2459.22 3492.03,2300.43 3440.43,2300.43 3280,2140 v1(3280,2000) ; U4.3@2783.2,1728.11 2780.7,1730.61 U4.3 2768.63,1728.11 U4.3@2783.2,1728.11
  Bottom Layer w10: v1(2871.65,1725.61) 2872.26,1725 2893.97,1725 2923.97,1695 3240,1695 3280,1735 v1(3280,2000)
RXD0: P2.3 U3.34 U4.1 | length 4415.4
  Top Layer w10: U4.1 2768.74,1628 2807.91,1628 2810.3,1625.61 v1(2871.65,1625.61) ; v1(2994.62,2625.76) 2902.07,2625.76 U3.34 2888.58,2637.7 2855.86,2637.7 2830,2663.55 2830,2837.77 2855.86,2863.62 3568.87,2863.62 3670.81,2761.68 3670.81,2450.93 3500.31,2280.43 3460.43,2280.43 3320,2140 v1(3320,2000)
  Bottom Layer w10: P2.3 2292.27,3007.73 2690.09,3007.73 2697.81,3000 2709.12,3000 3021.93,2687.19 3021.93,2653.08 v1(2994.62,2625.76) ; v1(2871.65,1625.61) 2921.04,1675 3248.28,1675 3300,1726.72 3300,1960 3320,1980 v1(3320,2000)
SCLK: U3.28 U5.11 U6.11 | length 1546.1
  Top Layer w12: U3.28 2902.47,2323.8 2992.87,2323.8 v1(2994.05,2322.62) ; v1(3430.98,2000) U5.11 ; v1(3608.99,1423.8) 3612.78,1423.8 3623.98,1435 U6.11
  Bottom Layer w12: v1(2994.05,2322.62) 3019.67,2297 3170.19,2297 3430.98,2036.2 v1(3430.98,2000) 3430.98,1669.02 3608.99,1491.01 v1(3608.99,1423.8)
SW1: RA1.1 SW1.8 U3.10 | length 2274.2
  Top Layer w10: v1(2121.65,2375.61) 2231.37,2375.61 U3.10 ; RA1.1 3192.24,2132.24 3400.43,2340.43 3466.47,2340.43 3501.65,2375.61 SW1.8
  Bottom Layer w10: v1(2121.65,2375.61) 2181.65,2315.61 2625.08,2315.61 2827.1,2517.63 3443.15,2517.63 3494.09,2466.69 3494.09,2433.16 SW1.8 SW1.8@3487.33,2411.29
SW2: RA1.2 SW1.7 U3.11 | length 2062.4
  Top Layer w10: v1(2121.65,2325.61) 2231.37,2325.61 U3.11 ; RA1.2 3160.75,2140.75 3321.65,2301.65 3321.65,2345.61 SW1.7
  Bottom Layer w10: v1(2121.65,2325.61) 2143.36,2325.61 2173.36,2295.61 2633.36,2295.61 2833.36,2495.61 3361.65,2495.61 3392.33,2464.93 3392.33,2434.93 SW1.7
SW3: RA1.3 SW1.6 U3.12 | length 1907.3
  Top Layer w10: v1(2121.65,2275.61) 2231.37,2275.61 U3.12 ; RA1.3 3129.25,2137.54 3255,2263.28 3255,2266.72 3300,2311.72 3300,2423.96 SW1.6
  Bottom Layer w10: v1(2121.65,2275.61) 2641.65,2275.61 2841.65,2475.61 3271.41,2475.61 3287.21,2459.81 3287.21,2458.58 3301.65,2444.14 SW1.6
SW4: RA1.4 SW1.5 U3.13 | length 1836.4
  Top Layer w10: v1(2121.65,2225.61) 2231.37,2225.61 U3.13 ; RA1.4 3097.76,2142.76 3280,2325 3280,2347.26 SW1.5
  Bottom Layer w10: v1(2121.65,2225.61) 2143.09,2225.61 2160.79,2243.32 2173.11,2255.61 2655.61,2255.61 2855.61,2455.61 3171.29,2455.61 3201.29,2425.61 SW1.5
TXD0: P2.2 U3.35 U4.4 | length 3944.8
  Top Layer w10: U4.4 2768.74,1778 2807.91,1778 2810.3,1775.61 v1(2871.65,1775.61) ; U3.35 2901.9,2675.59 v1(2993.94,2675.59) 2994.53,2675 3082.4,2675 3231.02,2823.62 3548.82,2823.62 3630.81,2741.64 3630.81,2467.5 3483.74,2320.43 3420.43,2320.43 3240,2140 v1(3240,2000)
  Bottom Layer w10: P2.2 2220,2980 2689.53,2980 v1(2993.94,2675.59) ; v1(2871.65,1775.61) 2932.26,1715 3231.72,1715 3260,1743.28 3260,1960 3240,1980 v1(3240,2000)
VIN: C1.1 D4.2 L1.1 P1.2 | length 692.3
  Top Layer w30: P1.2 1312.64,1474.62 1368.07,1474.62 1534.62,1308.07 1534.62,1302.16 1545.74,1291.04 C1.1 1553.93,1293.33 L1.1@1631.96,1293.33 ; D4.2 1489.91,1512.81 1631.96,1370.77 1631.96,1295.61 L1.1
VIN_FIL: C4.1 C5.1 D1.2 R3.1 U2.7 U5.10 U5.16 U6.10 U6.16 | length 3793.1
  Top Layer w15: v1(3460,2050) U5.10
  Top Layer w20: C4.1 1861.65,1301.04 1886.92,1275.77 1895.52,1275.77 1898.57,1272.71 1969.97,1272.71 C5.1 1977.55,1271.04 2004.8,1243.8 2016.71,1243.8 2052.62,1207.89 2060.98,1207.89 R3.1 ; C4.1@1861.65,1315.19 1861.65,1393 1886.76,1418.11 2006.76,1418.11 2025.46,1436.81 2025.46,1467.78 D1.2@2043.29,1485.61 ; R3.1@2075.1,1197.22 2077.55,1197.22 2088.22,1186.55 2088.22,1184.1 2158.86,1113.46 3627.11,1113.46 3683.32,1169.67 3683.32,1183.33 3685,1185 U6.16@3698.65,1185 ; R3.1@2075.65,1196.67 2077,1196.67 2088.22,1207.89 2088.22,1209.24 2130.46,1251.49 2130.46,1356.76 2173.62,1399.92 2206.46,1399.92 U2.7@2206.61,1400.06 ; v1@3461.54,1749.45 U5.16@3518.1,1749.45 ; U5.16@3516.02,1750 U5.16 ; U5.16@3518.1,1745.46 3518.1,1639.45 3671.45,1486.1 ; U6.10@3682.85,1483.8 3678.29,1479.25 3660.04,1461 3599.54,1461 3571.6,1433.06 3571.6,1248.4 3635.55,1184.45 U6.16@3683.32,1184.45 ; U6.16@3700,1185 U6.16
  Bottom Layer w15: v1@3460,1750 3461.48,1751.48 3461.48,2048.52 v1(3460,2050)
  other v1: 3460.98,1750
pads on no net: CN1.HOLE S2.3 S2.4 U1.8 U2.2 U2.3 U3.4 U3.5 U3.14 U3.16 U3.17 U3.18 U3.19 U3.20 U3.21 U3.22 U3.23 U3.24 U3.29 U3.30 U3.31 U3.32 U3.33 U3.37 U5.4 U5.5 U5.6 U5.7 U5.13 U6.9 U6.13

## Polygon pours and split planes (outlines as drawn)
GND on Top Layer "GND_L01_P000" (solid, remove dead copper, pour order 0): 1030,1065 5100,1065 5120,1085 5120,3490 1045,3490 1030,3505
GND on Bottom Layer "GND_L02_P001" (solid, remove dead copper, pour order 1): 1020,3500 5105,3500 5105,1025 5085,1045 1035,1045 1035,3440 1010,3465

## Keep-outs
Keep-Out Layer:
  lines w10: 1034.57,1140 1034.57,3408.4 ; 1034.63,3396.42 cw(c1117.93,3396.42) 1115.72,3479.69 ; 1035.31,1155.72 ccw(c1118.58,1157.93) 1118.58,1074.63 ; 1114.99,1076.66 5015.01,1070.09 ; 1120,3479.7 5015.89,3477.2 cw(c5015.89,3387.3) 5105.75,3389.68 5105.93,1140.78 ; 5024.28,1070.31 ccw(c5022.07,1153.58) 5105.37,1153.58

## Other copper
Top Layer:
  region net 3V3: 3205,1945 3205,1905 3085,1905 3085,1945
Bottom Layer:
  region net RS485_5V: 1191.81,2882.33 1241.81,2882.33 1291.81,2832.33 1291.81,2732.33 1241.81,2732.33 1191.81,2782.33
  region net RS485_5V: 1191.81,2232.33 1191.81,2332.33 1241.81,2332.33 1291.81,2282.33 1291.81,2182.33 1241.81,2182.33

## Text inside footprints (layer, text, board x,y; h text height)
U3: Mechanical 13 "ANTENNA" at 2330.43,2972.22 h70